# Altium PCB BW1097.PcbDoc (part 4 of 7)
Units mil, origin at the board's own origin, x right, y up, seen from the top; angles counter-clockwise.
Board outline 4330.71 x 2362.21 mil, 6 copper layers (Top Copper, Signal Layer 1, Signal Layer 2, Signal Layer 3, Signal Layer 4, Bottom Copper), stack 62.873 mil thick; 270 components, 263 nets, 1210 pads, 777 vias.
Unrouted connection lines stored in the file: 24.
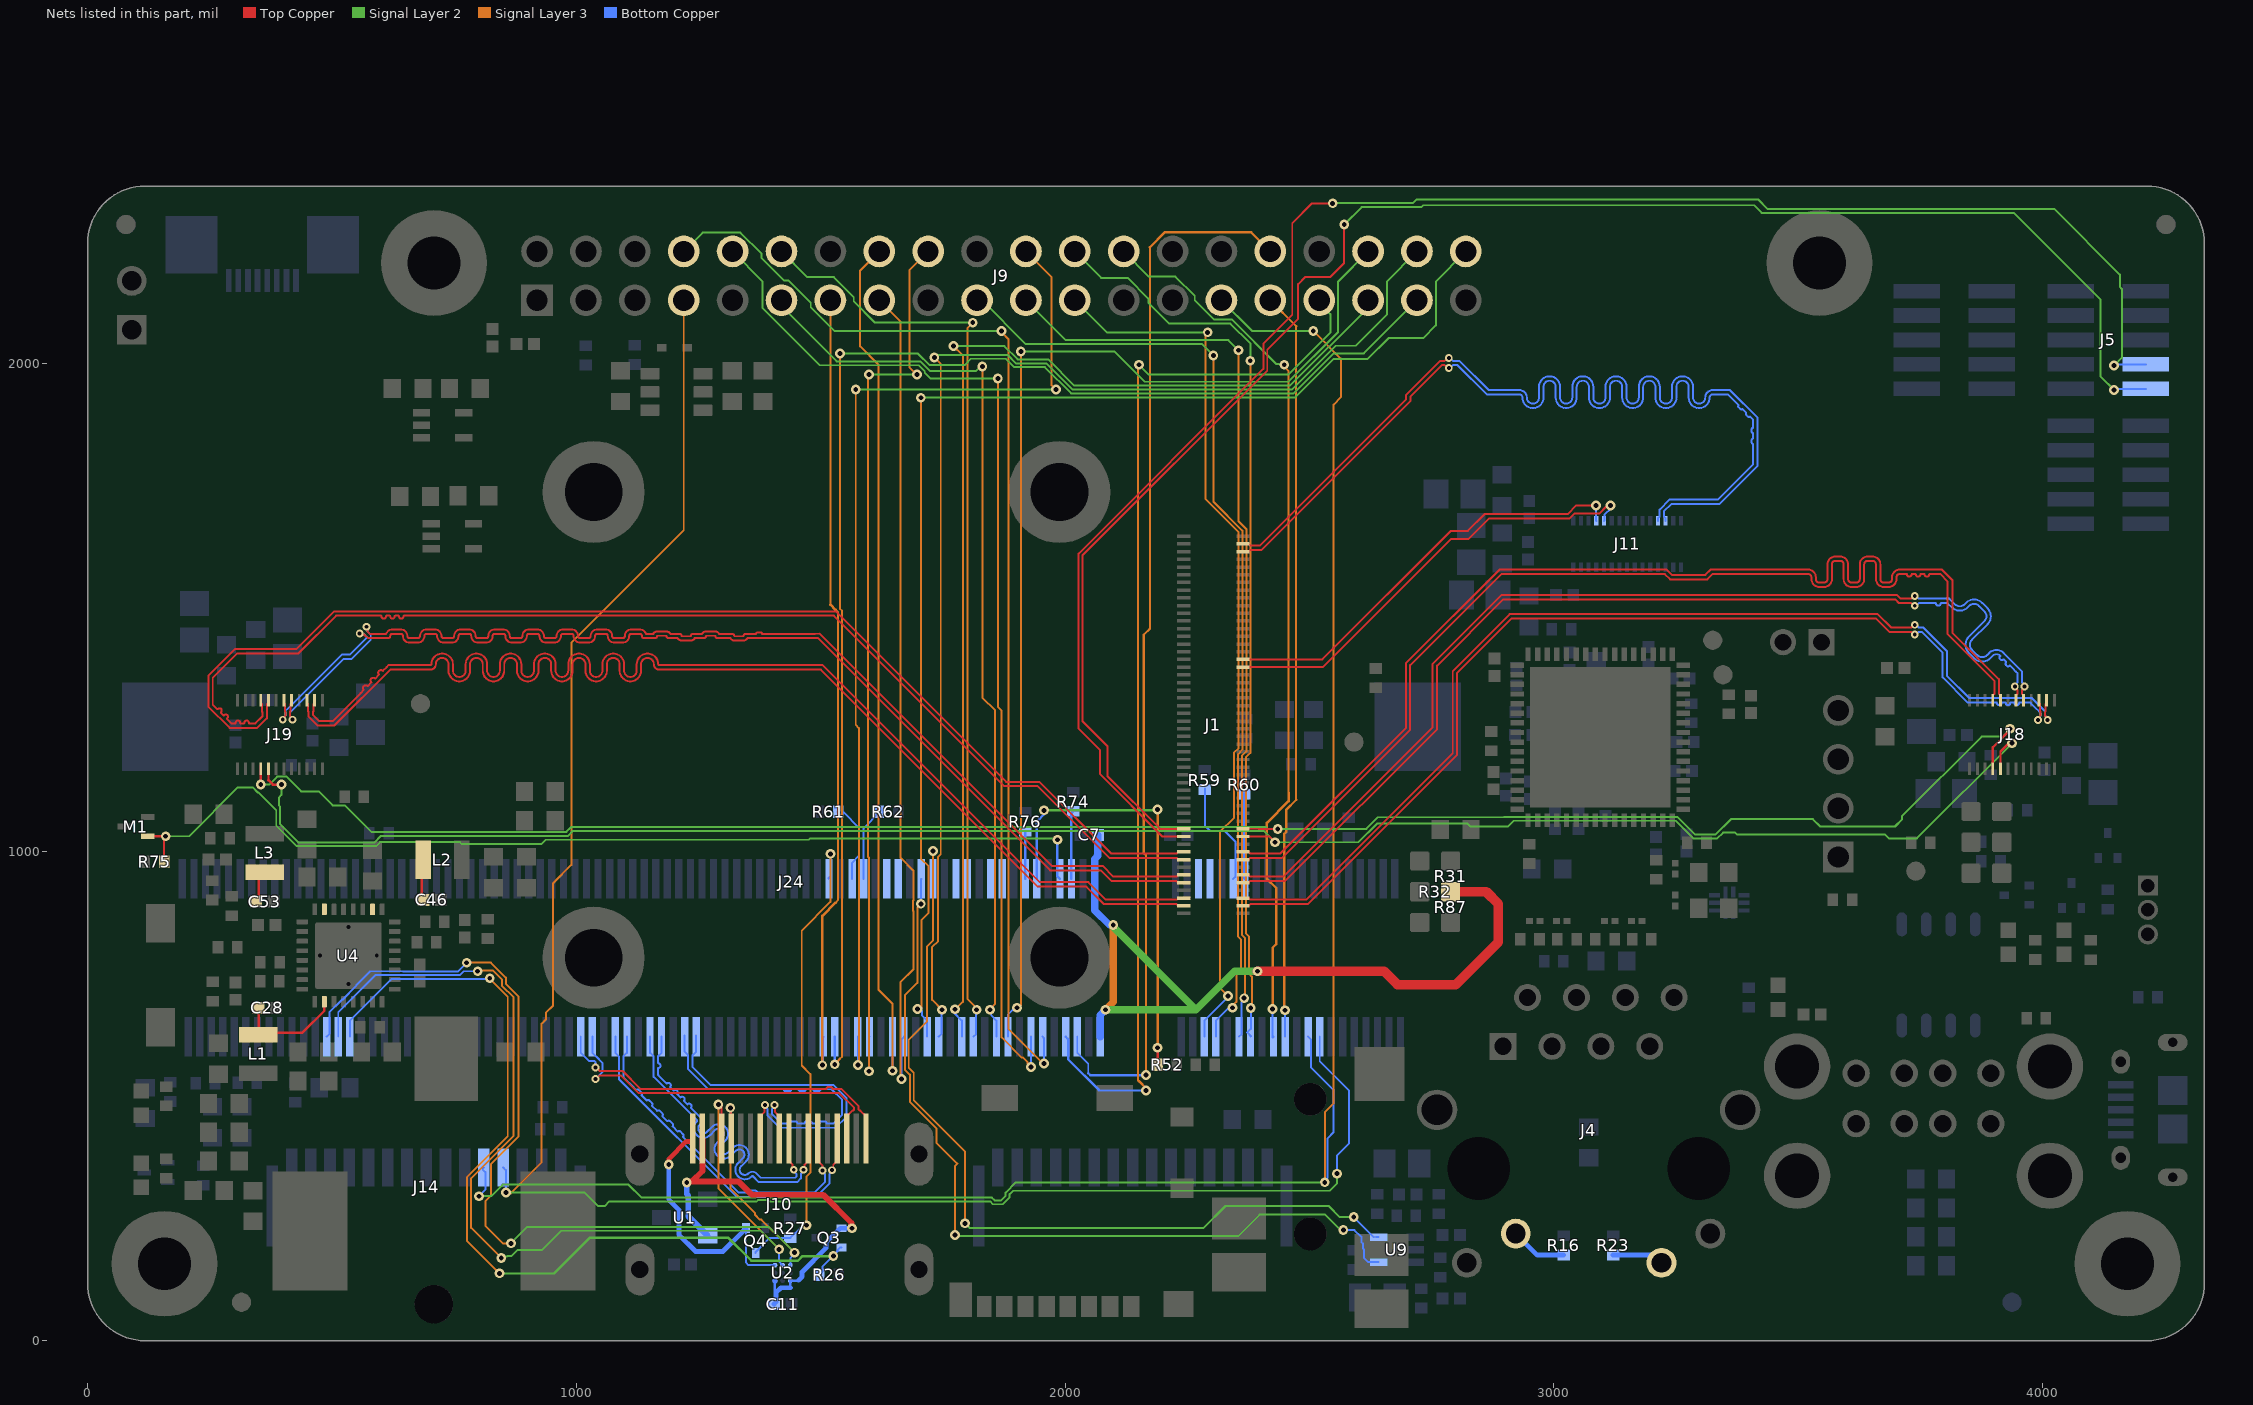
[diagram p8: the nets of this part, all layers, seen from the top]

## Via types
v1: diameter 20, hole 10, Top Copper to Bottom Copper, tented both sides, 657 vias
v2: diameter 16, hole 8, Top Copper to Bottom Copper, tented both sides, 102 vias
v3: diameter 20, hole 10, Top Copper to Bottom Copper, 16 vias
v4: diameter 62.99/0/0/0/0/62.99 (per signal layer), hole 62.99, Top Copper to Bottom Copper, 1 vias
v5: diameter 43.31/50/50/50/50/43.31 (per signal layer), hole 43.31, Top Copper to Bottom Copper, 1 vias

## Nets (pads, with @x,y where several pads share a name; then routed paths per layer and width w, separated by ;. In a path a pad name is that pad's centre, name@x,y a point inside that pad or via, vN(x,y) a via of type N, cw(c..) or ccw(c..) an arc to the next point about the centre after c; other vN are vias at no path point) (continued)
GPIO4/GPIO_GCLK/CAM1_IO1: J9.7 J14.P4 J24.15 | length 4118.3
  Signal Layer 2 w4: v1(855.96,303.47) 1016.42,303.47 1044.55,275.34 1057.81,275.34 1067.29,284.82 1368.99,284.82 1371.95,287.78 1391.83,287.78 1394.79,284.82 1846.59,284.82 1852.26,279.15 1872.14,279.15 1886.2,293.21 1886.2,296.87 ; 1886.2,296.88 1886.2,299.71 1893.32,306.82 2540.84,306.82 2556.23,322.21 v1(2556.23,341.77)
  Signal Layer 3 w4: v1(855.96,303.47) 853.99,301.51 866.01,301.51 929.13,364.63 929.13,648.71 937.5,657.08 937.5,670.46 952.24,685.2 952.24,936.06 989.7,973.51 989.7,1427.69 1219.68,1657.67 J9.7@1219.68,2128.35
  Bottom Copper w4: J14.P4@850.39,354.33 855.96,348.77 v1(855.96,303.47) ; J24.15@2520.8,621.89 2520.8,571.74 2580.84,511.7 2580.84,403.68 2556.23,379.07 v1(2556.23,341.77)
GPIO5/CAM1_IO0: J9.29 J14.P5 J24.17 | length 4162.6
  Signal Layer 2 w4: v1(800.72,295.61) 825.47,295.61 849.33,319.47 1106.67,319.47 1133.32,292.82 1365.67,292.82 1368.63,295.78 1395.14,295.78 1398.1,292.82 1849.9,292.82 1855.57,287.15 1868.83,287.15 1878.2,296.52 1878.2,300.19 1878.2,303.02 1899.2,324.02 v1(2531.1,324.02) ; J9.29@2319.68,2128.35 2382.22,2065.81 v1(2507.58,2065.81)
  Signal Layer 3 w4: v1(2507.58,2065.81) 2564.14,2009.25 2564.14,1930.29 2549,1915.15 2549,485.71 2531.1,467.81 v1(2531.1,324.02)
  Bottom Copper w4: v1(800.72,295.61) 813.91,308.8 813.91,344.85 807.73,351.03 J14.P5@811.02,354.33 ; J24.17@2497.18,621.89 2502.66,616.41 2502.66,559.6 2548.82,513.44 2548.82,425.91 2537.1,414.19 2537.1,333.26 2531.1,327.26 v1(2531.1,324.02)
GPIO6: J9.31 J24.21 | length 1539.7
  Signal Layer 3 w4: 2472.63,1106.64 2472.63,1142.53 2472.18,1142.98 2472.18,1929.12 2472.63,1929.56 2472.63,2075.4
  Signal Layer 3 w5: J9.31@2419.68,2128.35 2472.63,2075.4 ; v1(2449.93,676.05) 2448.07,677.92 2448.07,1036.78 2452,1040.71 2452,1086.01 2472.63,1106.64
  Bottom Copper w4: J24.21@2449.93,621.89 v1(2449.93,676.05)
GPIO7/SPI_CE1_N: J9.26 J24.23 | length 1842
  Signal Layer 2 w4: J9.26@2119.68,2228.35 2171.02,2177.01 2225.44,2177.01 2265.12,2137.33 2265.12,2128.49 2304.81,2088.81 2341.35,2088.81 2432.07,1998.09 2446.65,1998.09 v1(2448.07,1996.67)
  Signal Layer 3 w4: v1(2448.07,1996.67) 2448.07,1992.34 2457.13,1983.28 2457.13,1120.75
  Signal Layer 3 w5: v1(2424.42,678.82) 2424.42,803.96 2431.72,811.26 2431.72,925.77 2412.63,944.86 2412.63,1059.37 2457.13,1103.87 2457.13,1120.75
  Bottom Copper w4: v1(2424.42,678.82) 2424.42,619.99 J24.23@2426.31,621.89
GPIO8/SPI_CE0_N: J9.24 J24.27 | length 1877.1
  Signal Layer 2 w4: J9.24@2019.68,2228.35 2073.64,2174.39 2128.06,2174.39 2170.43,2132.02 2170.43,2123.18 2212.81,2080.81 2338.04,2080.81 2378.72,2040.12 v1(2378.72,2004.67)
  Signal Layer 3 w4: v1(2378.72,2004.67) 2378.72,1202.53 2369.64,1193.44 2369.64,833.42 2375.64,827.43 2375.64,751.34 2382.14,744.84 2382.14,682.85 v1(2379.7,680.41)
  Bottom Copper w4: J24.27@2379.07,621.89 2380.14,622.96 2372.37,630.72 2379.7,638.05 v1(2379.7,680.41)
GPIO9/SPI_MISO: J9.21 J24.29 | length 1899.4
  Signal Layer 2 w4: J9.21@1919.68,2128.35 2001.12,2046.91 2333.69,2046.91 v1(2354.33,2026.27)
  Signal Layer 3 w4: v1(2354.33,2026.27) 2354.33,1676.91 2370.7,1660.53 2370.7,1205.82 2361.64,1196.76 2361.64,830.1 2367.64,824.11 2367.64,702.28 v1(2366.14,700.79)
  Bottom Copper w4: J24.29@2355.45,621.89 2360.93,627.37 2360.93,692.33 2366.14,697.54 v1(2366.14,700.79)
GPIO10/SPI_MOSI: J9.19 J24.33 | length 1980.8
  Signal Layer 2 w4: J9.19@1819.68,2128.35 1830.04,2128.35 1919.48,2038.91 2279.98,2038.91 v1(2303.15,2015.74)
  Signal Layer 3 w4: v1(2303.15,2015.74) 2303.15,1716.77 2362.7,1657.22 2362.7,1209.13 2353.64,1200.07 2353.64,826.79 2359.64,820.8 2359.64,761.67 2350.14,752.17 2350.14,693.05 2342.52,685.43 v1(2342.52,681.1)
  Bottom Copper w4: J24.33@2308.2,621.89 2308.2,654.76 2332.25,678.81 2340.22,678.81 v1(2342.52,681.1)
GPIO11/SPI_SCLK: J9.23 J24.35 | length 1814.4
  Signal Layer 2 w4: J9.23@2019.68,2128.35 2085.12,2062.91 v1(2291.54,2062.91)
  Signal Layer 3 w4: v1(2291.54,2062.91) 2291.54,2058.58 2287.15,2054.19 2287.15,1721.46 2354.7,1653.9 2354.7,1212.45 2345.64,1203.39 2345.64,1070.01 2316.46,1040.83 2316.46,721.78 v1(2333.14,705.1)
  Bottom Copper w4: J24.35@2284.58,621.89 2284.58,654.76 2334.54,704.72 2334.16,705.1 v1(2333.14,705.1)
GPIO12: J9.32 J24.45 | length 2179.6
  Signal Layer 3 w4: 2173.23,1456.54 2173.23,2237.02
  Signal Layer 3 w5: v1(2165.35,543.31) 2165.35,993.53 2160.86,998.01 2160.86,1444.17 2173.23,1456.54 ; 2173.23,2237.02 2203.54,2267.33 2380.7,2267.33 J9.32@2419.68,2228.35
  Bottom Copper w4: J24.45@2024.74,621.89 2024.74,589.01 2047.24,566.51 2047.24,547.24
  Bottom Copper w5: 2047.24,547.24 2051.18,543.31 v1(2165.35,543.31)
GPIO13: J9.33 J24.47 | length 2237.4
  Signal Layer 2 w4: v1(2150.85,1996.67) 2171.14,1976.38 2456.69,1976.38 2542.65,2062.34 2542.65,2100.21 2519.68,2123.17 J9.33@2519.68,2128.35
  Signal Layer 3 w4: 2150.85,531.04 2149.35,532.54 2149.35,1995.17 v1(2150.85,1996.67)
  Signal Layer 3 w5: 2150.85,531.04 2165.35,516.54 v1(2165.35,511.82)
  Bottom Copper w5: J24.47@2001.12,621.89 2006.1,616.91 2006.1,575.66 2069.94,511.82 v1(2165.35,511.82)
GPIO14/TXD0: J9.8 J24.51 | length 2351.8
  Signal Layer 2 w4: J9.8@1219.68,2228.35 1258.17,2266.83 1335.62,2266.83 1378.89,2223.56 1378.89,2214.73 1424.26,2169.36 1433.09,2169.36 1479.52,2122.93 1479.52,2114.1 1527.81,2065.81 v1(1869.96,2065.81)
  Signal Layer 3 w4: v1(1869.96,2065.81) 1869.96,2063.19 1883.89,2049.26 1883.89,638.03 1954.99,566.93 v1(1956.69,566.93)
  Bottom Copper w4: J24.51@1953.87,621.89 1956.69,619.07 v1(1956.69,566.93)
GPIO15/RXD0: J9.10 J24.53 | length 2183.5
  Signal Layer 2 w4: J9.10@1319.68,2228.35 1381.2,2166.83 1381.2,2112.41 1498.05,1995.56 1700.17,1995.56 1712.72,1983.01 1712.72,1980.18 1724.4,1968.5 v1(1862.2,1968.5)
  Signal Layer 3 w4: v1(1862.2,1968.5) 1862.2,1296.85 1869.51,1289.55 1869.51,641.1 1869.82,640.79 1869.82,620.6 1910.63,579.79 1913.26,579.79 1922.63,570.42 1922.63,567.79 v1(1930.25,560.17)
  Bottom Copper w4: v1(1930.25,560.17) J24.53@1930.25,621.89
GPIO16: J9.36 J24.57 | length 2337.1
  Signal Layer 2 w4: v1(1909.32,2023.49) 2101.4,2023.49 2163.07,1961.82 2456.57,1961.82 2558.17,2063.42 2558.17,2166.83 J9.36@2619.68,2228.35
  Signal Layer 3 w4: v1(1901.57,681.1) 1901.57,679.86 1897.8,676.09 1898.75,675.14 1909.32,685.7 v1(1909.32,2023.49)
  Bottom Copper w4: J24.57@1883.01,621.89 1883.01,667.03 1897.08,681.1 v1(1901.57,681.1)
GPIO17/GPI0_GEN0: J9.11 J24.59 | length 1873
  Signal Layer 2 w4: J9.11@1419.68,2128.35 1432.15,2115.88 1432.15,2104.03 1532.62,2003.56 1703.48,2003.56 1723.55,1983.49 1817.27,1983.49 1826.59,1992.82 v1(1830.56,1992.82)
  Signal Layer 3 w4: v1(1830.56,1992.82) 1830.56,1315.76 1856.6,1289.73 1856.6,688.95 1846.46,678.81 v1(1846.46,677.17)
  Bottom Copper w4: v1(1846.46,677.17) 1848.75,674.87 1848.75,665.39 1859.38,654.76 J24.59@1859.38,621.89
GPIO18/GPI0_GEN1: J9.12 J24.63 | length 1932.6
  Signal Layer 2 w4: J9.12@1419.68,2228.35 1472.24,2175.79 1526.66,2175.79 1567.46,2134.99 1567.46,2126.15 1610.94,2082.67 v1(1811.02,2082.67)
  Signal Layer 3 w4: v1(1811.02,2082.67) 1800.33,2071.98 1800.33,698.71 1818.89,680.14 v1(1818.89,677.16)
  Bottom Copper w4: J24.63@1812.14,621.89 1817.62,627.37 1817.62,675.89 v1(1818.89,677.16)
GPIO19: J9.35 J24.65 | length 2398.5
  Signal Layer 2 w4: v1(1771.53,2034.68) 1875.5,2034.68 1902.69,2007.49 1964.98,2007.49 2018.65,1953.82 2459.88,1953.82 2619.68,2113.62 J9.35@2619.68,2128.35
  Signal Layer 3 w4: v1(1771.53,2034.68) 1790.55,2015.66 1790.55,693.27 1775.3,678.02 v1(1774.71,678.02)
  Bottom Copper w4: v1(1774.71,678.02) 1774.71,674.93 1771.53,671.75 1788.52,654.76 J24.65@1788.52,621.89
GPIO20: J9.38 J24.69 | length 2589.2
  Signal Layer 2 w4: v1(1732.28,2011.67) 1736.61,2011.67 1741.76,2016.82 1882.05,2016.82 1899.38,1999.49 1961.67,1999.49 2015.34,1945.82 2463.86,1945.82 2553.47,2035.43 2594.49,2035.43 2658.17,2099.11 2658.17,2166.83 J9.38@2719.68,2228.35
  Signal Layer 3 w4: v1(1732.28,2011.67) 1745.46,1998.49 1745.46,995.34 1739.9,989.78 1739.9,817.66 1727.96,805.72 1727.96,697.23 v1(1748.03,677.16)
  Bottom Copper w4: J24.69@1741.27,621.89 1746.75,627.37 1746.75,675.89 v1(1748.03,677.16)
GPIO21: J9.40 J24.71 | length 2630.2
  Signal Layer 2 w4: v1(1704.72,1929.13) 2469.8,1929.13 2548.54,2007.87 2618.11,2007.87 2661.42,2051.18 2732.28,2051.18 2758.17,2077.06 2758.17,2166.83 J9.40@2819.68,2228.35
  Signal Layer 3 w4: v1(1697.7,678.41) 1703.91,678.41 1705.7,680.21 1705.7,860.35 1720.72,875.38 1720.72,970.2 1704.72,986.19 v1(1704.72,1929.13)
  Bottom Copper w4: v1(1697.7,678.41) 1703.48,678.41 1707.02,674.87 1707.02,665.39 1717.65,654.76 J24.71@1717.65,621.89
GPIO22/GPIO_GEN3: J9.15 J24.75 | length 1722.9
  Signal Layer 3 w4: J9.15@1619.68,2128.35 1663.53,2084.5 1663.53,987.62 1689.7,961.46 1689.7,901.3 1688.72,900.33 1688.72,879.13 1689.7,878.15 1689.7,760.07 1663.53,733.9 1663.53,537.25 v1(1665.35,535.43)
  Bottom Copper w4: v1(1665.35,535.43) 1665.35,616.83 J24.75@1670.41,621.89
GPIO23/GPIO_GEN4: J9.16 J24.77 | length 1789.2
  Signal Layer 3 w4: J9.16@1619.68,2228.35 1580.7,2189.37 1580.7,2034.15 1618.11,1996.74 1618.11,717.95 1646.79,689.27 v1(1646.79,552.3)
  Bottom Copper w4: v1(1646.79,552.3) J24.77@1646.79,621.89
GPIO24/GPIO_GEN5: J9.18 J24.81 | length 1871.2
  Signal Layer 2 w4: v1(1598.43,1976.38) v1(1696.72,1976.38)
  Signal Layer 3 w4: v1(1598.43,551.18) 1598.43,988.07 1596.85,989.64 1596.85,1974.81 v1(1598.43,1976.38) ; v1(1696.72,1976.38) 1681.2,1991.9 1681.2,2189.87 J9.18@1719.68,2228.35
  Bottom Copper w4: v1@1599.54,552.3 1598.43,553.41 1598.43,620.77 J24.81@1599.54,621.89
  Bottom Copper w5: v1(1598.43,551.18) v1@1599.54,552.3
GPIO25/GPIO_GEN6: J9.22 J24.83 | length 2161.2
  Signal Layer 2 w4: v1(1571.59,1945.82) v1(1981.4,1945.82)
  Signal Layer 3 w4: v1(1571.59,1945.82) 1571.59,1259.79 1578.18,1253.2 1578.18,571.15 1575.92,568.9 v1(1575.92,564.11) ; J9.22@1919.68,2228.35 1972.39,2175.64 1972.39,1954.28 v1(1981.4,1945.82)
  Bottom Copper w4: v1(1575.92,564.11) J24.83@1575.92,621.89
GPIO26: J9.37 J24.87 | length 2822.7
  Signal Layer 2 w4: v1(1539.25,2019.56) 1698.8,2019.56 1722.69,1995.67 1794.14,1995.67 1807.28,2008.82 1878.73,2008.82 1896.06,1991.49 1958.36,1991.49 2012.03,1937.82 2467.17,1937.82 2549.04,2019.69 2611.02,2019.69 J9.37@2719.68,2128.35
  Signal Layer 3 w4: 1539.25,576.79 1543.68,581.23 1543.68,1493.04 1539.25,1497.48 v1(1539.25,2019.56)
  Signal Layer 3 w5: v1(1528.68,565.44) 1528.68,566.22 1539.25,576.79
  Bottom Copper w5: v1(1528.68,565.44) J24.87@1528.68,621.89
GPIO27/GPIO_GEN2: J9.13 J24.89 | length 1644.6
  Signal Layer 3 w4: 1519.68,1505.72 J9.13@1519.68,2128.35 ; 1530.25,896.18 1535.68,901.61 1535.68,1489.73 1530.25,1495.16
  Signal Layer 3 w5: v1(1503.19,563.74) 1503.19,869.12 1530.25,896.18 ; 1519.68,1505.72 1530.25,1495.16
  Bottom Copper w5: v1(1503.19,563.74) 1504.3,563.74 1504.49,563.55 1504.49,621.33 J24.89@1505.05,621.89
GPIO28: J24.28 R60.2 | length 175.8
  Bottom Copper w4: R60.2@2366.14,1120.08 2366.14,945.84 J24.28@2367.26,944.72
GPIO28-45_VREF: C7.2 J24.41 J24.42 R31.1 R32.1 R87.2 | length 1760.1
  Top Copper w20: v1(2393.7,755.9) 2500,755.9 2652.06,755.9 2679.62,728.35 2799.21,728.35 2886.12,815.25 2886.12,893.67 2861.37,918.42 R87.2@2788.52,918.42
  Signal Layer 2 w15: v1(2082.68,677.17) 2267.72,677.17 ; v1(2098.43,850.39) 2099.38,849.44 2099.38,845.5 2267.72,677.17 ; v1(2393.7,755.9) 2346.46,755.9 2311.02,720.47 2267.72,677.17
  Signal Layer 3 w15: v1(2082.68,677.17) 2098.43,692.91 v1(2098.43,850.39)
  Bottom Copper w15: C7.2@2066.94,1034.65 2066.94,991.85 2060.17,985.08 J24.42@2060.17,944.72 2060.17,880.77 2090.55,850.39 v1(2098.43,850.39) ; J24.41@2071.98,621.89 2071.98,666.47 v1(2082.68,677.17)
GPIO29: J24.30 R59.2 | length 230.4
  Bottom Copper w4: R59.2@2285.69,1129.24 2285.69,1053.35 2296.32,1042.71 2326.9,1042.71 2348.46,1021.15 2348.46,949.55 J24.30@2343.64,944.72
GPIO30: J24.34
GPIO31: J24.36
GPIO32/MPGOOD: J24.46 R74.2 | length 139.8
  Bottom Copper w5: J24.46@2012.93,944.72 2012.8,944.85 2012.8,1079.42 2012.93,1079.42 R74.2@2016.4,1082.9
GPIO33/MRST: J24.48 M1.1 R75.2 | length 2116.9
  Top Copper w4: R75.2@156.8,980 156.8,1024.6 159.9,1027.7 v1(159.9,1032.03)
  Top Copper w5: M1.1@123.14,1032.03 v1(159.9,1032.03)
  Signal Layer 2 w4: v1(159.9,1032.03) 207.99,1032.03 307.79,1131.83 337.66,1131.83 347.7,1121.79 349.65,1121.79 386.08,1085.37 386.08,1053.48 427.9,1011.65 590.45,1011.65 598.74,1019.94 761.61,1019.94 765.45,1016.1 928.32,1016.1 937.09,1024.87 1475.82,1024.87 1477.97,1027.01 1982.1,1027.01 v1(1984.25,1024.87)
  Bottom Copper w5: v1(1984.25,1024.87) 1984.25,949.78 J24.48@1989.31,944.72
GPIO34/CD_SW1: J24.52 R52.2 | length 901.6
  Top Copper w5: R52.2@2189.12,564.33 v1(2189.12,599.27)
  Signal Layer 2 w5: v1(1956.88,1085.05) 1957.28,1085.05 1957.48,1084.86 2187.5,1084.86 v1(2189.12,1086.47)
  Signal Layer 3 w5: v1(2189.12,599.27) v1(2189.12,1086.47)
  Bottom Copper w5: J24.52@1942.06,944.72 1942.06,1062.12 1956.88,1076.94 v1(1956.88,1085.05)
GPIO35/MWAKE: J24.54 R76.2 | length 97.3
  Bottom Copper w5: J24.54@1918.44,944.72 R76.2@1918.44,1041.98
GPIO36: J24.58
GPIO37: J24.60
GPIO38: J24.64
GPIO39: J24.66
GPIO40/AUD_R: J24.70 U9.3 | length 1778.5
  Signal Layer 2 w4: v1(1795.27,240.16) 1805.31,230.12 2282.52,230.12 2327.99,275.59 2539.37,275.59 2562.01,252.95 v1(2590.3,252.95)
  Signal Layer 3 w4: v1(1729.46,1001.96) 1729.46,818.54 1717.65,806.73 1717.65,653.23 1680.03,615.61 1680.03,557.99 1690.22,547.81 1690.22,492.08 1795.27,387.03 v1(1795.27,240.16)
  Bottom Copper w4: J24.70@1729.46,944.72 v1(1729.46,1001.96) ; v1(2590.3,252.95) U9.3@2631.43,211.82 ; U9.3@2635.62,211.82 U9.3@2641.27,211.82
GPIO41/AUD_L: J24.72 U9.1 | length 1742.2
  Signal Layer 2 w4: v1(1774.71,216.17) 1779.64,216.17 1781.97,213.84 2353.62,213.84 2397.75,257.97 2531.95,257.97 2563.47,226.44 v1(2569.06,226.44)
  Signal Layer 3 w4: v1(1704.72,893.7) 1697.7,886.68 1697.7,732.12 1672.03,706.45 1672.03,554.68 1682.22,544.49 1682.22,488.77 1736.32,434.67 1736.32,405.3 1779.43,362.19 1774.71,357.46 v1(1774.71,216.17)
  Bottom Copper w4: J24.72@1705.84,944.72 1704.72,943.6 v1(1704.72,893.7) v1@1709.87,893.7 ; v1(2569.06,226.44) 2591.63,226.44 2605.83,212.24 2605.83,201.87 2609.35,198.35 2609.35,188.63 2610.96,187.01 2610.96,169.69 2619.9,160.74 2641.17,160.74 U9.1@2641.27,160.64
GPIO42: J24.76
GPIO43: J24.78
GPIO44: J24.82 R62.2 | length 150.7
  Bottom Copper w4: J24.82@1587.73,944.72 1587.73,1048.62 R62.2@1620.8,1081.69
GPIO45: J24.84 R61.2 | length 167.9
  Bottom Copper w4: R61.2@1534.19,1081.69 1534.89,1080.99 1546.7,1080.99 1578.18,1049.51 1578.18,991.67 1564.11,977.6 J24.84@1564.11,944.72
H5V: C11.2 J10.18 Q3.1 U1.2 U2.A1 U2.C1 | length 891.4
  Top Copper w12: v1(1225.92,323.56) 1227.72,325.36 1235.92,325.36 ; J10.18@1257.87,413.39 1257.87,347.31 1235.92,325.36 ; v1(1564.11,230.12) 1562.87,231.36 1562.87,240.68 1504.95,298.59 1358.82,298.59 1332.06,325.36 1235.92,325.36
  Bottom Copper w5: U2.C1@1406.23,121.45 1406.23,99.8 1408.2,97.83 ; 1437.73,108.31 U2.A1@1437.73,123.03 1455.38,123.03 1454.69,123.72
  Bottom Copper w10: C11.2@1404.27,74.8 1408.2,78.74 1408.2,97.83 1418.68,108.31 1437.73,108.31 ; U2.C1@1406.23,121.45 U2.C1@1406.23,123.03 ; 1454.69,123.72 1461.75,130.77 1461.75,140.59 1510.51,189.35 1510.51,200.54 1540.09,230.12 1542.26,230.12 v1(1564.11,230.12)
  Bottom Copper w12: v1(1225.92,323.56) 1225.92,299.86 1228.87,296.92 1228.87,254.53 U1.2@1268.83,214.57
HDMI_CEC: J24.171 Q3.2 R26.1 | length 1847.7
  Signal Layer 2 w4: v1(842.52,137.8) 954.52,137.8
  Signal Layer 2 w5: 954.52,137.8 1027.16,210.43 1311.27,210.43 1358.09,163.62 1453.23,163.62 1462.84,173.23 v1(1525.72,173.23)
  Signal Layer 3 w4: v1(822.83,741.49) 822.83,740.15 859.64,703.34 859.64,418.18 776.72,335.26 776.72,203.59 v1(842.52,137.8)
  Bottom Copper w4: J24.171@536.55,621.89 536.55,654.76 621.52,739.73 821.06,739.73 v1(822.83,741.49) ; R26.1@1497.18,135.3 1503.26,141.38 1503.26,151.75 1534.22,182.71 1534.22,184.87 1540.09,190.75 Q3.2@1542.26,190.75
HDMI_CLK_N: J10.12 J24.111 | length 746.4
  Top Copper w4: J10.12@1375.99,413.39 1375.99,459.05 1385.21,468.28 1385.21,481.83 v2(1385.67,482.28)
  Bottom Copper w4: J24.111@1245.21,624.25 J24.111@1245.21,621.89 1245.21,591.38 1237.93,584.1 1237.93,559.46 1273.95,523.44 1525.67,523.44 1552.82,496.29 1552.82,458.59 1529.86,435.63 1415.95,435.63 1391.17,460.41 ; v2@1385.67,479.41 1391.14,473.94 ; v2(1385.67,482.28) 1385.67,479.44 1391.17,473.94 ; 1391.17,460.41 1391.17,473.94 ; 1391.14,460.41 1391.14,473.94
HDMI_CLK_P: J10.10 J24.113 | length 740.2
  Top Copper w4: v2(1405.67,482.28) 1406.13,481.83 1406.13,468.28 1415.36,459.05 J10.10@1415.36,413.39
  Bottom Copper w4: J24.113@1221.59,624.25 J24.113@1221.59,621.89 1221.59,591.38 1228.87,584.1 1228.87,555.79 1270.22,514.44 1396.08,514.44 1409.45,514.44 1424.45,514.44 ccw(c1428.45,514.44) 1428.45,510.44 1435.45,510.44 ccw(c1435.45,514.44) 1439.45,514.44 1454.45,514.44 ccw(c1458.45,514.44) 1458.45,510.44 1465.45,510.44 ccw(c1465.45,514.44) 1469.45,514.44 1484.45,514.44 ccw(c1488.45,514.44) 1488.45,510.44 1495.45,510.44 ccw(c1495.45,514.44) 1499.45,514.44 1514.45,514.44 1521.95,514.44 1543.82,492.57 1543.82,462.31 1526.14,444.63 1512.03,444.63 ccw(c1508.03,444.63) 1508.03,448.63 1501.03,448.63 ccw(c1501.03,444.63) 1497.03,444.63 1482.03,444.63 ccw(c1478.03,444.63) 1478.03,448.63 1471.03,448.63 ccw(c1471.03,444.63) 1467.03,444.63 1452.03,444.63 ccw(c1448.03,444.63) 1448.03,448.63 1441.03,448.63 ccw(c1441.03,444.63) 1437.03,444.63 1429.53,444.63 1419.67,444.63 1400.17,464.13 1400.17,473.94 1405.67,479.44 v2(1405.67,482.28) ; 1400.2,464.13 1400.2,473.94 v2@1405.67,479.41
HDMI_D0_N: J10.9 J24.117 | length 714.6
  Top Copper w4: J10.9@1435.04,413.39 1435.04,367.72 1442.43,360.33 1442.43,352 v2(1444.73,349.7)
  Bottom Copper w4: J24.117@1174.34,621.89 1174.34,589.01 1167.03,581.7 1167.03,572.62 1167.03,567.62 cw(c1167.03,562.62) 1172.03,562.62 cw(c1167.03,562.62) 1167.03,557.62 1167.03,547.62 1167.03,543.64 1170.57,540.1 1177.64,533.03 1184.71,525.96 cw(c1188.25,522.42) 1191.78,525.96 cw(c1188.25,522.42) 1191.78,518.89 1198.85,511.82 cw(c1202.39,508.28) 1205.92,511.82 cw(c1202.39,508.28) 1205.92,504.75 1213,497.67 cw(c1216.53,494.14) 1220.07,497.67 cw(c1216.53,494.14) 1220.07,490.6 1227.14,483.53 cw(c1230.67,480) 1234.21,483.53 cw(c1230.67,480) 1234.21,476.46 1237.22,473.44 1252.41,458.26 cw(c1244.28,450.13) 1255.78,450.13 cw(c1244.28,450.13) 1252.41,442 ccw(c1259.83,434.57) 1252.39,427.17 ccw(c1259.83,434.57) 1267.26,427.15 1277.16,437.05 cw(c1290.95,423.26) 1310.45,423.26 cw(c1290.95,423.26) 1304.73,409.47 1294.83,399.57 ccw(c1302.26,392.15) 1294.82,384.74 ; 1294.83,384.72 ccw(c1302.26,392.15) 1309.68,384.72 1319.58,394.62 cw(c1333.37,380.83) 1352.87,380.83 cw(c1333.37,380.83) 1347.16,367.04 1337.26,357.15 ccw(c1344.69,349.72) 1337.24,342.31 ccw(c1344.69,349.72) 1352.11,342.3 cw(c1360.24,334.16) 1368.37,342.3 1377.31,333.36 1447.88,333.36 1450.23,335.7 1450.23,341.36 1444.73,346.86 v2(1444.73,349.7)
HDMI_D0_P: J10.7 J24.119 | length 715.9
  Top Copper w4: v2(1464.73,349.7) 1467.02,352 1467.02,360.33 1474.41,367.72 J10.7@1474.41,413.39
  Bottom Copper w4: J24.119@1150.72,621.89 1150.72,589.01 1158.03,581.7 1158.03,539.91 1246.04,451.9 cw(c1244.28,450.13) 1246.78,450.13 cw(c1244.28,450.13) 1246.04,448.36 ccw(c1259.83,434.57) 1273.62,420.78 1283.52,430.68 cw(c1290.95,423.26) 1298.37,430.68 ; 1298.39,430.67 cw(c1290.95,423.26) 1301.45,423.26 cw(c1290.95,423.26) 1298.37,415.83 1288.47,405.94 ccw(c1302.26,392.15) 1316.05,378.36 1325.95,388.26 cw(c1333.37,380.83) 1340.8,388.26 cw(c1333.37,380.83) 1343.87,380.83 cw(c1333.37,380.83) 1340.8,373.41 1330.9,363.51 ccw(c1344.69,349.72) 1358.47,335.93 cw(c1360.24,334.16) 1362.01,335.93 1373.58,324.36 1451.61,324.36 1459.23,331.98 1459.23,341.36 1464.73,346.86 v2(1464.73,349.7)
HDMI_D1_N: J10.6 J24.123 | length 727.1
  Top Copper w4: J10.6@1494.1,413.39 1497.61,409.87 1497.61,364.38 1503.28,358.71 v2(1503.28,348.49)
  Bottom Copper w4: J24.123@1103.48,621.89 1103.48,589.01 1096.17,581.7 1096.17,539.14 1101.47,533.83 1112.08,523.23 1122.68,512.62 cw(c1125.51,509.79) 1128.34,512.62 1133.29,507.67 cw(c1130.46,504.84) 1133.29,502.01 1143.9,491.41 cw(c1146.73,488.58) 1149.55,491.41 1154.5,486.46 cw(c1151.68,483.63) 1154.5,480.8 1165.11,470.19 cw(c1167.94,467.36) 1170.77,470.19 1175.72,465.24 cw(c1172.89,462.41) 1175.72,459.59 1186.32,448.98 cw(c1189.15,446.15) 1191.98,448.98 1196.93,444.03 cw(c1194.1,441.2) 1196.93,438.37 1207.54,427.77 cw(c1210.36,424.94) 1213.19,427.77 1218.14,422.82 cw(c1215.31,419.99) 1218.14,417.16 1332.15,303.15 1339.65,303.15 1354.65,303.15 cw(c1358.65,303.15) 1358.65,307.15 1365.65,307.15 cw(c1365.65,303.15) 1369.65,303.15 1472.44,303.15 1486.94,303.15 1508.78,324.99 1508.78,340.15 1503.28,345.65 v2(1503.28,348.49)